# KiCad board JumperlessRev3point1.kicad_pcb (continued)
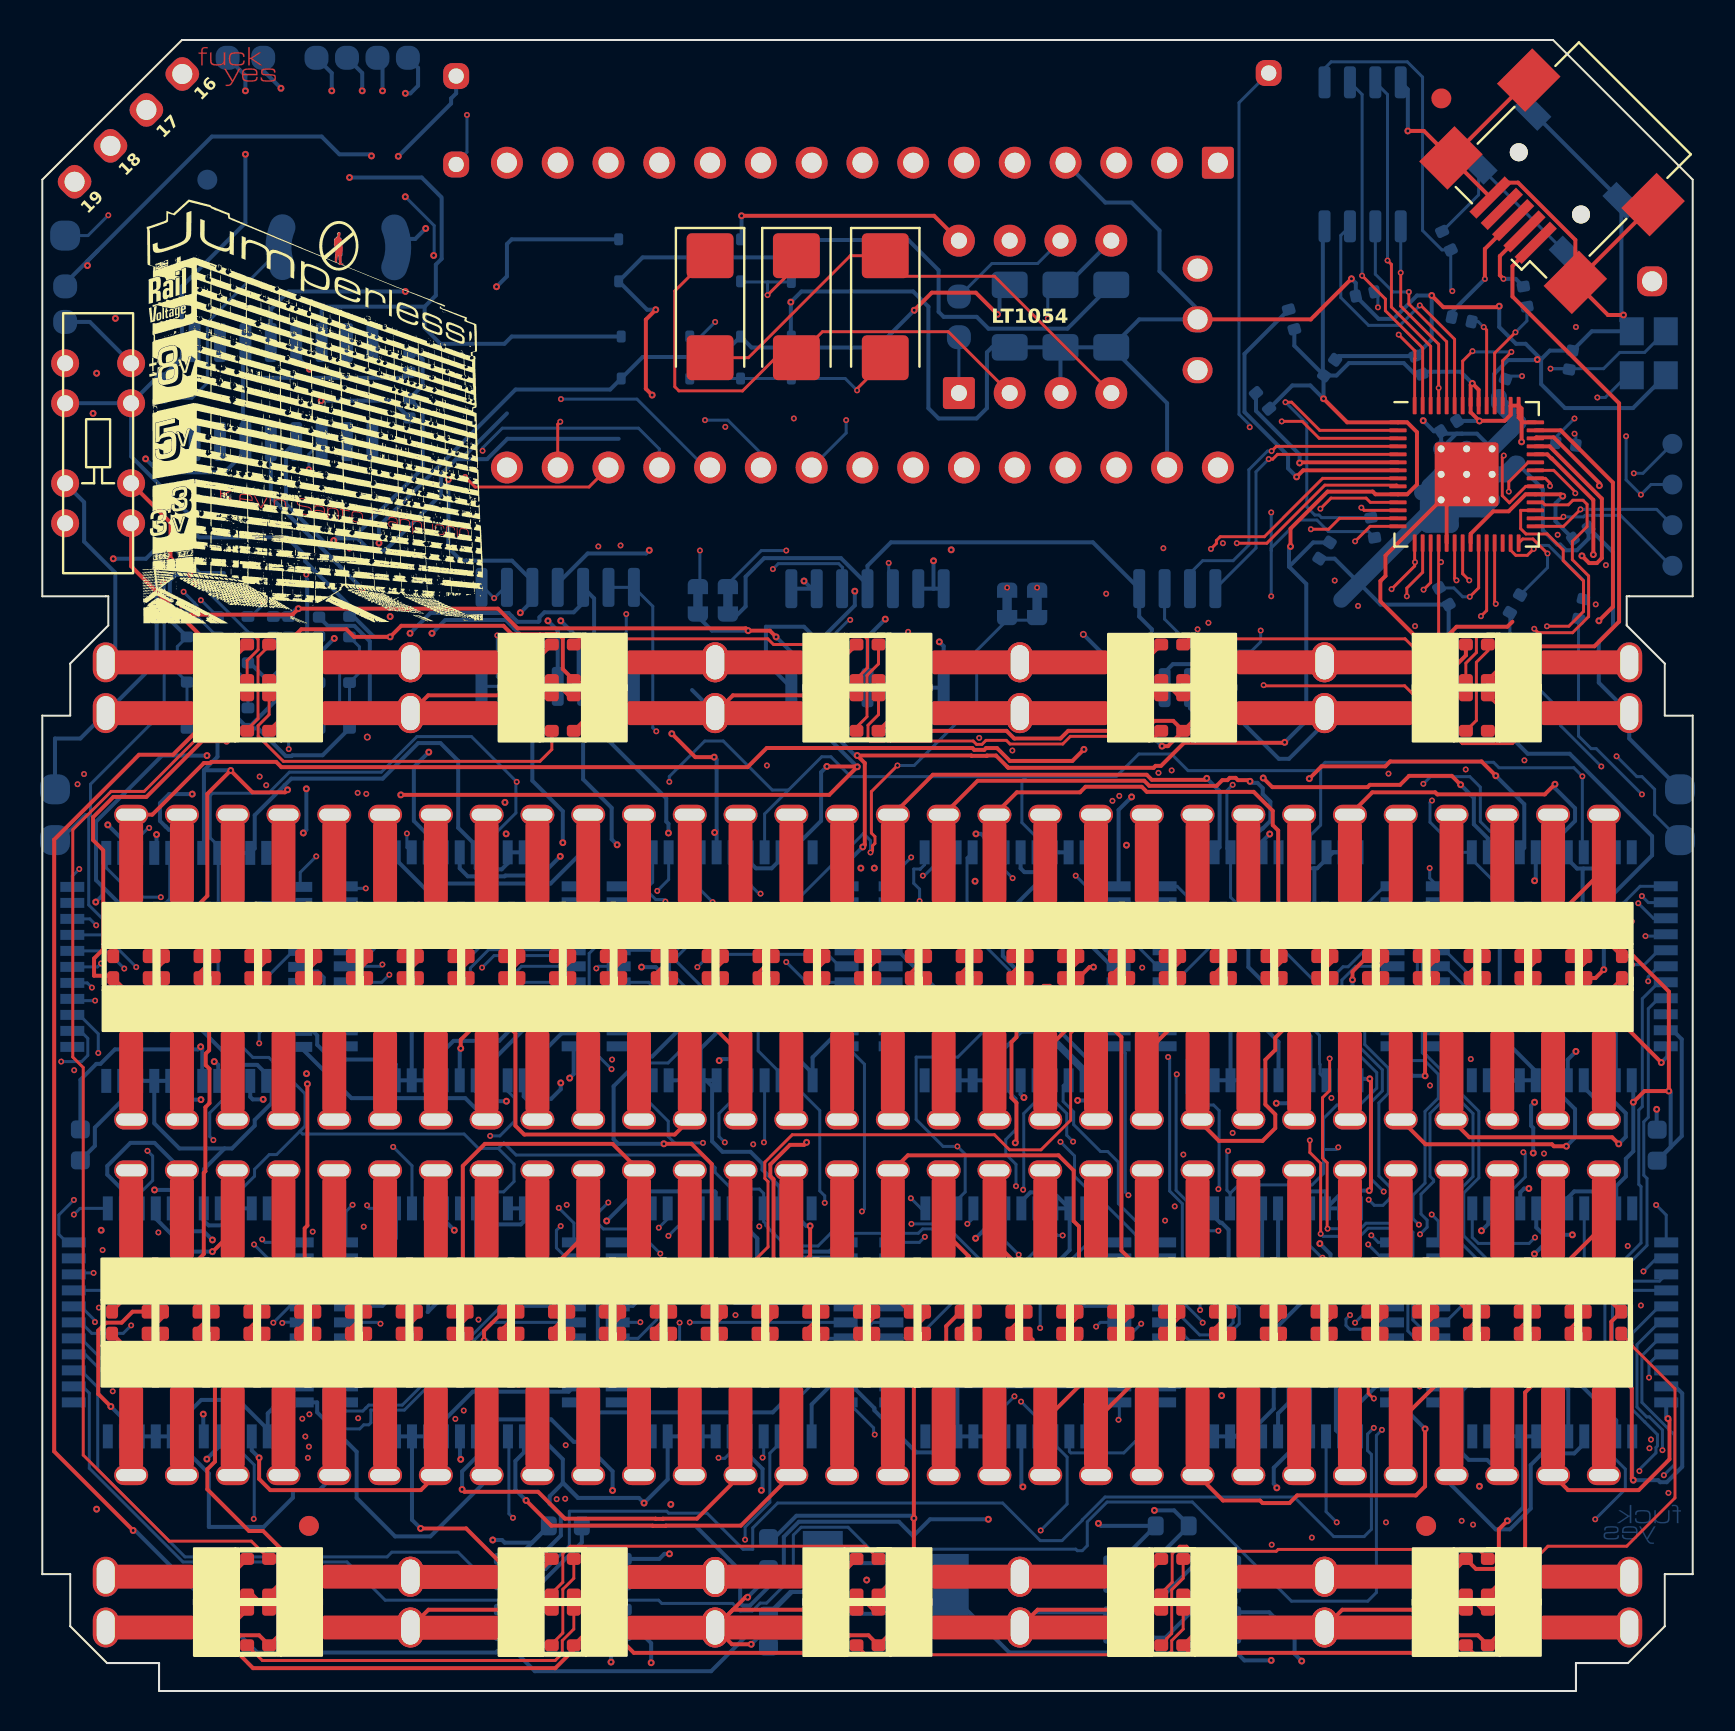
[diagram p0: board, top side]
## Routing (per net, layer and track width the routed paths; a pad name or vN(x,y) marks a point on that pad's centre or on a via; arc(x,y) is an arc through that point) (continued)
  In2.Cu w0.15: v1(27.81,57.23) 28.42,56.62 28.42,42.54 27.3,41.43 27.3,37.85 28.54,36.61 28.54,33.09 27.96,32.5 27.96,29.3 28.38,28.88 28.38,25.73 27.69,25.05 v1(27.69,21.09) ; A1.2 55.04,75.19 55.04,58.18 v1(56.07,57.14)
  Bottom w0.15: 28.78,20.83 27.95,20.83 v1(27.69,21.09)
D1: length 71.1
  In1.Cu w0.15: v1(59.05,57.39) 58.91,57.53 50.02,57.53 49.89,57.66 29.31,57.66 v1(28.92,57.28)
  In2.Cu w0.15: v1(29.78,38.11) 29.59,38.3 29.59,42.05 28.77,42.86 28.77,57.12 v1(28.92,57.28) ; v1(59.05,57.39) 60.07,58.41 60.07,75.15 A1.1
  Bottom w0.15: I1.30 29.5,37.83 v1(29.78,38.11)
D2: length 83.9
  Top w0.15: v1(45.52,20.88) 45.05,20.42 37.28,20.42 v1(37.15,20.55)
  In2.Cu w0.15: v1(45.52,20.88) 46.99,20.88 47.14,21.03 47.14,25.14 46.46,25.83 46.46,32.58 46.84,32.97 46.84,33.92 46.82,33.95 46.82,38.67 47.3,39.15 47.3,40.41 46.15,41.56 46.15,43.15 46.41,43.41 46.41,44.22 47.49,45.3 47.49,56.82 47.67,57 47.67,60.31 47.37,60.61 47.37,75.14 A1.5
  Bottom w0.15: J6.29 29.55,19.23 30.78,20.47 30.78,20.65 31.32,21.18 31.7,21.18 32.59,20.29 33.08,20.78 34.21,20.78 35,19.99 36.59,19.99 v1(37.15,20.55) ; K1.27 43.74,17.63 45.67,19.56 45.67,20.8 45.64,20.83 45.57,20.83 v1(45.52,20.88)
D3: length 107.7
  In1.Cu w0.15: v1(27.48,47.62) 27.63,47.48 31.89,47.48 31.95,47.42 46.63,47.42 v1(46.86,47.66) 47.49,47.02 v1(48.52,47.02)
  In2.Cu w0.15: v1(27.48,47.62) 26.23,46.37 26.23,42.81 26.6,42.44 26.6,37.24 v1(27.71,36.13) ; v1(51.77,16.56) 52.07,16.87 52.07,24.21 51.26,25.02 51.26,26.32 50.82,26.76 50.5,26.76 49.09,28.17 49.09,29.06 49.15,29.06 50.11,30.02 49.03,31.11 49.03,34.74 49.09,34.8 49.09,39.56 49.45,39.93 49.45,43.11 48.95,43.61 48.95,46.6 v1(48.52,47.02) ; A1.6 47.11,75.4 47.11,60.52 47.38,60.25 47.38,60.01 47.42,59.96 47.42,57.23 47.38,57.18 47.38,57.12 46.86,56.61 v1(46.86,47.66)
  Bottom w0.15: v1(27.71,36.13) 27.82,36.23 I1.28 ; K1.26 46.42,16.83 46.74,16.51 49.73,16.51 49.78,16.56 v1(51.77,16.56)
D4: length 85.9
  Top w0.15: v1(44.23,21.28) 44.29,21.34 45.59,21.34 46.22,20.71 50.32,20.71 v1(50.77,20.26)
  In1.Cu w0.15: v1(31.42,20.75) 32.63,21.96 33.47,21.96 33.66,22.15 39.96,22.15 39.98,22.14 42.44,22.14 42.73,21.84 44.02,21.84 44.23,21.63 v1(44.23,21.28)
  In2.Cu w0.15: A1.7 44.83,75.15 44.83,57.43 44.01,56.61 44.01,43.49 44.7,42.8 44.7,38.33 44.56,38.19 44.56,37.86 44.7,37.72 44.7,34.94 44.21,34.46 44.21,34.08 44,33.87 44,25.75 44.62,25.13 44.62,21.66 v1(44.23,21.28)
  Bottom w0.15: v1(50.77,20.26) 52.95,20.26 53.52,20.83 ; v1(31.42,20.75) 30.73,20.06 30.73,18.56 29.8,17.63 J6.27
D5: length 85
  In1.Cu w0.15: v1(51.7,34.65) 50.51,34.65 50.23,34.37 50.15,34.37 49.94,34.57 49.94,34.65 49.89,34.7 41.85,34.7 41.46,34.32 39.29,34.32 v1(39.27,34.34) 38.69,34.92 35.25,34.92 35.25,34.92 31.96,34.92 30.99,33.95 v1(30.99,33.91)
  In2.Cu w0.15: A1.8 39.77,75.16 39.77,45.99 38.89,45.11 38.89,38.76 39.27,38.38 v1(39.27,34.34) ; v1(51.7,34.65) 51.7,34.04 52.14,33.6 52.14,29.38 51.59,28.84 51.59,28.12 v1(50.93,27.46)
  Bottom w0.15: K1.4 54.42,20.03 54.7,20.3 54.7,22.8 52.6,24.91 52.46,24.91 51.63,25.73 51.63,26.75 v1(50.93,27.46) ; v1(30.99,33.91) 30.26,34.63 I1.26
D6: length 74.7
  In1.Cu w0.15: v1(38.45,21.31) 38.53,21.39 42.13,21.39 43.32,20.2 47.85,20.2 48.27,20.61 49.43,20.61 50.1,19.94 v1(51.46,19.94)
  In2.Cu w0.15: v1(38.45,21.31) 38.81,21.67 38.81,25.57 38.73,25.65 38.73,31.03 38.81,31.11 38.33,31.6 38.33,34.61 38.65,34.94 38.65,38.57 38.59,38.64 38.59,54.48 39.46,55.35 39.46,75.44 A1.9
  Bottom w0.15: 39.83,20.83 39.35,21.31 v1(38.45,21.31) ; v1(51.46,19.94) 52.17,19.23 K1.5
D7: length 81.3
  In1.Cu w0.15: v1(50.75,37.84) 49.61,38.99 47.24,38.99 46.74,38.48 42.62,38.48 41.99,37.85 37,37.85 v1(36.84,38)
  In2.Cu w0.15: A1.10 37.08,75.28 37.08,57.66 36.83,57.66 36.07,56.9 36.07,55.5 37.08,54.49 37.08,52.81 37.21,52.68 37.21,44.86 36.44,44.09 36.44,38.6 36.84,38.2 v1(36.84,38) ; v1(52.71,18.22) 53.78,19.29 53.78,33.59 51.41,35.95 51.41,36.21 50.75,36.87 v1(50.75,37.84)
  Bottom w0.15: v1(36.84,38) 37.09,37.76 40.15,37.76 ; K1.6 52.92,18.43 v1(52.71,18.22)
D8: length 83.4
  In1.Cu w0.15: v1(39.24,20.07) 41.43,17.88 44.15,17.88 44.28,18.01 48.75,18.01 49.28,18.54 52.84,18.54 52.88,18.5 54.83,18.5 v1(54.97,18.36)
  In2.Cu w0.15: v1(33.57,20.46) 33.57,28.59 34.26,29.29 34.26,43.1 33.85,43.51 33.85,44.12 34.79,45.06 34.79,62.93 34.54,63.18 34.54,75.28 A1.11
  Bottom w0.15: 40.04,19.38 34.65,19.38 v1(33.57,20.46) ; 39.83,19.23 39.24,19.82 v1(39.24,20.07) ; 54.23,17.63 v1(54.97,18.36)
D9: length 95.2
  In1.Cu w0.15: v1(55.02,36.17) 54.28,35.43 33.53,35.43 v1(32.77,36.2)
  In2.Cu w0.15: v1(55.02,36.17) 55.27,35.92 55.27,29.92 56.32,28.88 56.32,25.73 55.8,25.21 55.8,17.01 v1(54.96,16.16) ; A1.12 32.71,74.56 32.71,64.44 33.47,63.68 33.47,62.91 32.42,61.85 32.42,60.36 32.2,60.14 32.2,58 32.42,57.78 32.42,45.16 33.46,44.12 33.46,43.45 32.77,42.75 v1(32.77,36.2)
  Bottom w0.15: v1(32.77,36.2) 33.4,36.83 39.28,36.83 39.88,36.23 ; 54.29,16.83 v1(54.96,16.16)
D10: length 72.6
  In2.Cu w0.15: A1.13 29.44,75.29 29.44,57.05 29.57,56.93 29.57,46.2 30.92,44.85 30.92,40.44 31.76,39.59 31.76,38.9 31.36,38.5 31.36,28.93 31.31,28.88 31.31,28.27 31.75,27.83 31.75,26.78 31.31,26.34 31.31,25.73 32.26,24.79 32.26,18.56 v1(32.39,18.43)
  Bottom w0.15: J6.6 v1(32.39,18.43) ; 40.58,18.35 41.02,17.91 41.02,15.49 41.59,15.49 42.12,16.03
D11: length 103.3
  In1.Cu w0.15: v1(23.8,15.32) 29.92,15.32 30.25,14.99 40.87,14.99 41.37,15.49 v1(44.07,15.49) ; v1(24.8,38.24) 25.66,37.39 30.25,37.39 30.43,37.57 30.43,38.21 30.7,38.47 31.03,38.47 31.66,37.84 v1(34.64,37.84)
  In2.Cu w0.15: 25.15,38.02 25.15,33.85 25.3,33.7 25.3,29.42 25.84,28.88 25.84,25.33 24.67,24.16 24.67,17.28 23.8,16.41 v1(23.8,15.32) ; 25.15,38.02 25.15,42.82 25.84,43.51 25.84,52.75 27.18,54.09 27.18,75.02 A1.14 ; 25.15,38.02 25.02,38.02 v1(24.8,38.24)
  Bottom w0.15: K1.24 43.81,15.23 v1(44.07,15.49) ; v1(34.64,37.84) 35.02,37.46 39.46,37.46 39.88,37.03
D12: length 98.4
  In1.Cu w0.15: v1(49.91,18.15) 49.53,17.76 44.38,17.76 44.25,17.63 43.42,17.63 43.4,17.61 38.93,17.61 v1(38.48,17.16) 37.8,17.84 24.24,17.84 v1(23.37,16.97)
  In2.Cu w0.15: v1(23.37,16.97) 23.37,16.97 23.37,20.22 23.11,20.47 23.11,22.27 23.19,22.35 23.19,25.63 23.3,25.73 23.3,26.34 23.19,26.44 23.19,28.17 23.3,28.27 23.3,29 23.62,29.31 23.62,29.65 22.87,30.4 22.87,36.67 21.88,37.66 21.88,42.09 23.39,43.6 23.39,44.19 24.38,45.18 24.38,63.31 23.24,64.46 A1.15
  Bottom w0.15: v1(49.91,18.15) 49.91,20.01 52.33,22.43 K1.1 ; J6.7 38.96,17.63 v1(38.48,17.16)
D13: length 45.3
  In1.Cu w0.15: v1(20.83,37.59) 21.72,36.7 36.96,36.7 v1(37.21,36.45)
  In2.Cu w0.15: v1(20.83,37.59) 21.15,37.91 21.15,59.88 22.44,61.17 A1.16
  Bottom w0.15: I1.7 38.23,35.43 v1(37.21,36.45)
DAC_0_OUT: length 50.5
  In1.Cu w0.2: v3(16,55.12) 35.94,55.12 38.61,52.45 43.56,52.45 43.94,52.83 v3(52.07,52.83)
  Bottom w0.2: v3(52.07,52.83) 54.73,50.17 U12.8 ; U10.13 11.43,59.69 v3(16,55.12)
DAC_1_OUT: length 62.8
  In1.Cu w0.2: v3(58.29,48.26) 50.31,48.26 49.67,47.62 47.5,47.62 46.99,48.13 34.45,48.13 34.01,47.7 32.19,47.7 31.5,48.39 19.46,48.39 18.77,47.7 v3(16.26,47.7)
  In2.Cu w0.2: v3(16.26,47.7) 15.37,48.58 v3(15.37,57.15)
  Bottom w0.2: U10.12 12.19,61.96 12.19,59.35 14.39,57.15 v3(15.37,57.15) ; U12.6 57.4,49.15 v3(58.29,48.26)
DAC_+-8V: length 147
  Top w0.2: v2(27.79,20.41) 28.02,20.18 30.43,20.18 30.44,20.19 32.72,20.19 33.48,20.96 33.48,26.35 32.47,27.36 v2(31.09,27.36) ; v2(13.26,30.35) 13.26,23.27 13.12,23.13 13.12,21.17 13.86,20.44 15.43,20.44 15.98,21 16.12,21 16.65,20.47 17.83,20.47 17.83,20.53 18.03,20.74 18.32,20.74 18.46,20.59 18.49,20.59 v2(18.72,20.83)
  In1.Cu w0.2: v2(18.72,20.83) 18.87,20.67 18.87,20.36 18.98,20.25 27.63,20.25 v2(27.79,20.41) ; v2(48.42,38.4) 47.13,37.11 31.83,37.11 v2(30.86,38.07)
  In2.Cu w0.2: v2(13.26,30.35) 13.13,30.35 12.41,31.07 12.41,42.26 v2(13.06,42.9) ; v2(29.97,36.2) 29.97,37.19 v2(30.86,38.07) ; v2(13.21,45.11) 14.61,46.51 v2(14.61,52.63) 13.95,53.28 v2(13.95,64.52) 13.95,65.5 v2(13.36,66.09) 13.36,78.71 v2(11.94,80.14)
  Bottom w0.2: v2(27.79,20.41) 27.79,16.67 28.43,16.03 ; v2(13.95,64.52) 17.5,64.52 C10.1 ; L1.3 53.55,38.92 48.94,38.92 v2(48.42,38.4) ; v2(13.21,45.11) 13.21,43.05 v2(13.06,42.9) ; TP8.1 11.05,81.03 v2(11.94,80.14) ; v2(14.61,52.63) 13.84,51.87 R16.2 ; v2(13.36,66.09) 12.7,66.75 12.7,67.12 ; v2(31.09,27.36) 28.8,27.36 28.57,27.58 28.57,30.24 30.06,31.73 30.51,31.73 32.36,33.58 32.36,34.52 30.68,36.2 v2(29.97,36.2)
DATA: length 226.6
  Top w0.15: U9.17 69.44,55.42 v1(69.09,55.07)
  In1.Cu w0.15: 33.07,27.03 33.05,27.05 v1(33.05,27.41) ; 33.07,27.03 45.69,27.03 ; 33.07,27.03 32.97,27.03 ; v1(45.77,27.23) 45.77,27.1 45.69,27.03 ; v1(5.26,27.01) 7.47,27.01 8.38,27.92 8.69,27.92 9.41,27.2 v1(17.55,27.2) 30.4,27.2 30.6,27.01 31.63,27.01 31.65,27.03 32.97,27.03 ; 32.97,27.03 35.25,27.03 v1(35.56,27.33) ; v1(74.08,26.94) 73.83,27.18 v1(64.82,27.18) ; 45.69,27.03 48.41,27.03 48.42,27.01 48.83,27.01 48.85,27.03 51.61,27.03 51.74,27.15 59.16,27.15 v1(59.31,27) ; v1(69.08,45.36) 67.99,46.45 60.68,46.45 v1(59.54,45.31) ; v1(18.24,42.88) 17.79,42.42 5.55,42.42 5.32,42.66 5.32,43.12 v1(5.35,43.15) ; v1(35.86,23.23) 35.79,23.15 33.25,23.15 33.18,23.09 31.65,23.09 v1(31.32,22.76)
  In2.Cu w0.15: v1(69.08,45.36) 69.08,46.14 69.09,46.15 v1(69.09,55.07) ; v1(35.86,23.23) 36,23.36 36,26.89 v1(35.56,27.33) ; v1(5.35,43.15) 5.32,43.12 5.32,42.66 5.55,42.42 5.55,27.3 v1(5.26,27.01)
  Bottom w0.15: 64.08,27.08 64.08,25.88 63.51,25.3 59.84,25.3 59.41,24.88 ; 64.08,27.08 64.08,28.63 64.75,29.3 65.9,29.3 66.75,30.15 66.75,30.92 65.55,32.11 65.55,33.57 59.43,39.69 C26.36 59.25,42.12 59.25,45.02 v1(59.54,45.31) ; 64.08,27.08 64.71,27.08 v1(64.82,27.18) ; F5.36 18.49,26.26 v1(17.55,27.2) ; v1(33.05,27.41) 31.62,27.41 31.31,27.72 31.31,28.49 30.1,29.69 30.1,31.3 30.21,31.4 31.3,31.4 32.94,33.05 32.94,34.42 31.37,35.99 31.37,36.69 32.13,37.45 I1.36 ; E1.36 4.88,24.88 5.52,25.53 5.52,26.75 v1(5.26,27.01) ; J6.36 32.08,23.52 v1(31.32,22.76) ; v1(69.08,45.36) 69.44,45.72 71.4,45.72 71.93,45.19 71.93,43.47 72.4,42.99 72.79,42.99 73.1,42.69 D70.36 ; v1(5.35,43.15) 5.3,43.15 4.8,42.66 A2.36 ; v1(74.08,26.94) 74.17,26.84 74.17,25.7 73.12,24.65 ; v1(59.31,27) 59.25,26.94 59.25,25.04 59.41,24.88 ; 59.41,24.88 G1.36 ; v1(18.24,42.88) 18.24,42.17 B1.36 ; 45.77,24.56 46.16,24.95 46.16,26.84 v1(45.77,27.23) 45.06,27.23 43.71,28.58 43.71,31.69 45.79,31.69 48.39,34.29 48.39,36.02 45.94,38.47 45.72,38.47 45.42,38.77 45.42,41.62 L1.36
DI: length 48.7
  In1.Cu w0.15: v1(79.83,39.39) 79.08,40.13 58.64,40.13 58.58,40.07 50.08,40.07 50.06,40.09 44.87,40.09 44.86,40.1 36.15,40.1 v1(35.93,39.87)
  Bottom w0.15: v1(79.83,39.39) 80.58,38.64 D70.3 ; I1.39 34.53,41.18 35.84,39.87 v1(35.93,39.87)
DJ: length 70.6
  In1.Cu w0.15: v1(79.96,19.28) 79.52,18.83 66.36,18.83 65.76,19.44 57.88,19.44 48.42,19.44 48.06,19.08 43.73,19.08 41.92,20.89 38.84,20.89 38.17,20.22 35.65,20.22 v1(35.32,20.55)
  In2.Cu w0.15: v1(80.19,37.74) 80.33,37.6 80.33,35.96 79.8,35.42 79.8,29.91 80.03,29.68 80.03,22.14 79.33,21.44 79.33,20.8 79.96,20.17 v1(79.96,19.28)
  Bottom w0.15: v1(80.19,37.74) 81.11,37.74 ; v1(35.32,20.55) 34.48,21.39 J6.39
DK: length 55.3
  In1.Cu w0.15: v1(48.84,21.81) 55.34,21.81 55.94,21.21 57.48,21.21 57.56,21.29 62.99,21.29 64.59,19.69 65.87,19.69 66.47,19.08 76.13,19.08 v1(79.3,22.25)
  In2.Cu w0.15: v1(80.01,39.75) 80.15,39.6 80.15,39.25 79.83,38.93 79.83,36.73 80.08,36.48 80.08,36.06 79.29,35.27 79.29,30.02 79.16,29.9 79.16,29.32 79.55,28.93 79.55,22.5 v1(79.3,22.25)
  Bottom w0.15: v1(48.84,21.81) 48.17,22.48 K1.39 ; v1(80.01,39.75) 80.33,39.42 81.19,39.42
DL: length 23.8
  In1.Cu w0.15: v1(48.53,40.64) 48.71,40.64 48.97,40.39 50.19,40.39 50.2,40.37 58.53,40.37 58.54,40.38 68.63,40.38 v1(69.39,41.15)
  Bottom w0.15: v1(48.53,40.64) 48.13,41.04 L1.39 ; v1(69.39,41.15) 69.39,40.64 D70.33
EI: length 37.7
  In1.Cu w0.15: v1(34.67,18.8) 34.56,18.9 12.04,18.9 v1(11.56,18.41)
  In2.Cu w0.15: v1(34.67,18.8) 34.65,18.82 34.65,20.56 33.85,21.36 33.85,27.14 v1(34.14,27.43)
  Bottom w0.15: E1.5 12.37,19.23 v1(11.56,18.41) ; v1(34.14,27.43) 33.85,27.72 33.85,28.88 34.53,29.55 I1.17
EJ: length 30.9
  In1.Cu w0.15: v1(13.28,11.66) 13.61,11.98 25.1,11.98 25.62,11.46 25.95,11.46 26.14,11.66 v1(33.83,11.66)
  In2.Cu w0.15: v1(12,18.4) 11.84,18.23 11.84,13.11 v1(13.28,11.66)
  Bottom w0.15: v1(12,18.4) 12.04,18.44 12.97,18.44 ; J6.17 34.48,11.98 34.13,11.63 33.85,11.63 v1(33.83,11.66)
EK: length 57.1
  In1.Cu w0.15: v1(3.52,14.99) 3.96,14.55 20.66,14.55 20.71,14.6 20.71,14.6 20.8,14.69 21.65,14.69 21.94,14.4 29.78,14.4 29.94,14.24 34.51,14.24 34.76,13.99 34.87,13.99 35,13.86 40.8,13.86 41.46,14.52 48.41,14.52 v1(48.63,14.73)
  In2.Cu w0.15: v1(3.52,14.99) 4.94,16.41 v1(4.94,19.87)
  Bottom w0.15: K1.17 48.17,14.28 v1(48.63,14.73) ; v1(4.94,19.87) 4.78,20.03 E1.30
EL: length 55.7
  In1.Cu w0.15: v1(48.7,25.24) 48.63,25.31 11.8,25.31 11.04,24.55 v1(1.58,24.55)
  Bottom w0.15: v1(48.7,25.24) 48.7,26.33 48.19,26.84 48.19,27.57 48.7,28.08 48.7,29.62 48.13,30.18 ; 1.23,22.43 0.83,22.83 0.83,23.8 v1(1.58,24.55)
FI: length 28.7
  In1.Cu w0.15: v1(35.86,16.39) 35.5,16.76 30.73,16.76 30.67,16.82 30.38,16.82 30.31,16.76 24.93,16.76 v1(24.59,16.42)
  In2.Cu w0.15: v1(36.09,27.43) 36.26,27.26 36.26,22.35 35.94,22.03 35.94,21.08 36.14,20.88 36.14,19.87 35.86,19.59 v1(35.86,16.39)
  Bottom w0.15: I1.15 36.13,27.47 v1(36.09,27.43) ; v1(24.59,16.42) 25.81,17.63 F5.7
FJ: length 16.2
  In1.Cu w0.15: v1(26.18,12.29) 26.49,11.99 33.96,11.99 34.28,11.67 v1(36.03,11.67)
  In2.Cu w0.15: v1(26.18,12.29) 26.18,15.63 v1(25.54,16.27)
  Bottom w0.15: J6.15 36.08,11.73 v1(36.03,11.67) ; v1(25.54,16.27) 25.54,16.29 26.09,16.83
FK: length 43.5
  In1.Cu w0.15: v1(15.8,13.64) 19.67,13.64 20.32,14.3 20.76,14.3 20.9,14.44 21.55,14.44 21.83,14.15 29.68,14.15 29.84,13.99 34.41,13.99 34.66,13.74 34.77,13.74 34.89,13.61 40.9,13.61 41.56,14.27 48.51,14.27 48.75,14.27 v1(48.95,14.47)
  In2.Cu w0.15: v1(16.92,18.36) 17.3,17.98 17.3,15.14 v1(15.8,13.64)
  Bottom w0.15: K1.15 49.77,13.65 v1(48.95,14.47) ; F5.28 16.85,18.43 v1(16.92,18.36)
FL: length 41.9
  In1.Cu w0.15: v1(49.06,25.06) 48.74,24.75 44.16,24.75 43.85,25.06 16.27,25.06 v1(15.52,24.31)
  Bottom w0.15: L1.15 49.73,29.52 49.09,28.88 49.09,25.09 v1(49.06,25.06) ; v1(15.52,24.31) 15.19,23.98 F5.33
GI: length 35.1
  In1.Cu w0.15: v1(56.64,24.23) 56.27,24.23 56.21,24.17 47.96,24.17 47.89,24.25 44.31,24.25 44.17,24.11 42.16,24.11 41.94,24.33 39.21,24.33 v1(39.14,24.41)
  In2.Cu w0.15: v1(57.87,15.63) 56.64,16.86 v1(56.64,24.23)
  Bottom w0.15: G1.25 57.47,16.03 v1(57.87,15.63) ; v1(39.14,24.41) 39.14,24.76 38.89,25 38.89,29.03 37.73,30.18
GJ: length 24.5
  In1.Cu w0.15: v1(57.33,15.62) 56.16,16.79 56,16.79 55.81,16.99 52.33,16.99 52.12,17.19 50.04,17.19 49.86,17.01 44.69,17.01 44.56,16.88 43.73,16.88 43.61,16.76 40.21,16.76 39.93,16.76 v1(39.24,16.06)
  Bottom w0.15: 56.15,15.19 56.9,15.19 v1(57.33,15.62) ; J6.13 37.68,14.5 v1(39.24,16.06)
GK: length 9.1
  Bottom w0.15: K1.13 51.37,11.98 51.45,11.91 54.09,11.91 55.34,13.15 55.34,16.37 55.79,16.83
GL: length 10.4
  Bottom w0.15: L1.13 51.06,30.26 51.06,29.48 51.59,28.95 51.59,28.32 52.93,26.97 53.29,26.97 53.82,26.44 53.82,24.37 55.76,22.43
GPIO_0: length 144.1
  In1.Cu w0.15: v1(61.47,58.93) 62.23,58.93 63.75,60.45 63.75,62.48 65.41,64.13 71.12,64.13 75.18,68.2 v1(76.71,68.2) 76.71,69.98 70.36,76.33 61.85,76.33 60.2,77.98 8.64,77.98 4.45,73.79 v1(3.3,73.79) ; v1(53.21,54.86) 53.34,54.74 v1(61.47,54.74)
  In2.Cu w0.15: v1(53.21,54.86) 53.21,45.63 51.56,43.98 51.56,40.89 v1(51.69,40.77) ; TP18.1 78.99,70.48 v1(76.71,68.2)
  Bottom w0.15: TP16.1 2.29,72.77 v1(3.3,73.79) ; v1(51.69,40.77) 53.02,39.43 L1.2 ; R7.2 66.33,57.97 64.33,57.97 63.75,58.55 62.87,58.55 61.47,57.15 61.47,57.02 ; v1(61.47,58.93) 61.47,57.02 ; 61.47,57.02 v1(61.47,54.74)
GPIO_16: length 100.8
  Top w0.15: v1(74.6,57.1) 74.28,56.78 73.7,56.78 73.44,57.04
  In1.Cu w0.15: 7.02,80.79 8.44,79.38 21.48,79.38 21.86,78.99 69.73,78.99 79.33,69.4 79.33,69.4 79.69,69.05 79.69,68.55 79.68,68.54 79.68,60.96 v1(79.6,60.88) 79.6,60.35 76.53,57.28 74.77,57.28 v1(74.6,57.1)
  Bottom w0.15: R11.1 77.09,55.53 75.34,57.28 74.77,57.28 v1(74.6,57.1) ; v1(79.6,60.88) 80.06,60.88 TP1.1
GPIO_17: length 100.2
  Top w0.15: v1(75.29,56.87) 74.56,57.6 74.05,57.6 U9.28
  In1.Cu w0.15: 5.23,79 5.36,79.13 21.38,79.13 21.76,78.74 69.34,78.74 73.03,75.05 73.32,75.05 79.22,69.15 79.23,69.15 79.44,68.94 79.44,68.65 79.23,68.45 79.22,68.45 79.19,68.41 79.19,62.77 v1(79.22,62.74) ; v1(79.96,59.82) 79.42,59.82 76.48,56.87 v1(75.29,56.87)
  Bottom w0.15: v1(79.22,62.74) 79.22,60.56 v1(79.96,59.82) 80.47,60.32 TP2.1 ; v1(75.29,56.87) 75.29,56.17 R9.1
GPIO_18: length 98.4
  Top w0.15: U9.29 76.09,58.23 v1(76.94,59.08)
  In1.Cu w0.15: 3.43,77.2 6.52,77.2 7.79,78.48 60.69,78.48 62.34,76.83 70.75,76.83 78.74,68.84 78.74,59.89 77.93,59.08 v1(76.94,59.08)
  Bottom w0.15: TP3.1 80.75,59.08 v1(76.94,59.08)
GPIO_19: length 101.4
  Top w0.15: v1(76.09,58.71) 76.01,58.63 U9.30
  In1.Cu w0.15: 1.63,75.4 5.29,75.4 8.11,78.23 60.56,78.23 62.21,76.58 70.49,76.58 78.49,68.58 78.49,59.99 78.06,59.56 76.94,59.56 v1(76.09,58.71)
  Bottom w0.15: 81.46,56.26 78.94,58.78 77.17,58.78 77.09,58.71 76.09,58.71 v1(76.09,58.71)
HI: length 53.7
  In1.Cu w0.15: v1(41,23.98) 41.11,23.86 44.27,23.86 44.41,24 47.78,24 47.86,23.92 56.47,23.92 56.54,23.85 58.01,23.85 58.32,23.55 58.32,22.76 58.42,22.66 59.06,22.66 59.97,23.57 64.57,23.57 65.15,22.99 65.15,22.78 65.96,21.97 70.99,21.97 71.23,22.21 74.43,22.21 74.47,22.25 78.28,22.25 80.32,24.3 v1(80.72,24.3)
  Bottom w0.15: I1.11 41.12,31.34 41.12,24.1 v1(41,23.98) ; H1.1 81.22,23.8 v1(80.72,24.3)
HJ: length 51.7
  In1.Cu w0.15: v1(80.46,12.57) 41.88,12.57 v1(41.64,12.82)
  In2.Cu w0.15: v1(80.09,20.98) 80.64,20.42 80.64,16.66 79.22,15.24 79.22,13.81 v1(80.46,12.57)
  Bottom w0.15: 40.31,14.43 41.58,13.16 41.58,12.88 v1(41.64,12.82) ; v1(80.09,20.98) 80.74,21.63
HK: length 34.1
  In1.Cu w0.15: v1(53.83,13.56) 54.31,13.08 64.3,13.08 64.74,13.51 77.14,13.51 79.17,15.55 v1(79.17,16.29)
  In2.Cu w0.15: v1(79.39,20.17) 79.39,16.5 v1(79.17,16.29)
  Bottom w0.15: v1(79.39,20.17) 79.52,20.03 H1.4 ; K1.11 53.87,13.6 v1(53.83,13.56)
HL: length 25
  In1.Cu w0.15: v1(69.49,23.83) 69.35,23.68 65.66,23.68 65.17,24.17 59.72,24.17 59.67,24.12 59.51,24.12 59.46,24.07 59.32,24.07 58.5,24.89 54.42,24.89 v1(54.33,24.79)
  Bottom w0.15: H1.33 69.82,23.5 v1(69.49,23.83) ; L1.11 54.17,31.9 54.17,24.95 v1(54.33,24.79)
I2C_SCL: length 116.1
  Top w0.2: v2(62.74,60.71) 63.07,61.03 U9.7
  In1.Cu w0.2: v2(28.45,1.45) 28.84,1.84 61.16,1.84 v2(61.47,1.53)
  In2.Cu w0.2: v2(61.47,1.53) 61.89,1.96 61.89,7.71 63.97,9.78 63.97,11.11 63.12,11.95 63.12,19.26 62.85,19.54 62.85,24.6 63.97,25.72 63.97,29.09 63.44,29.62 63.44,38.43 63.97,38.96 63.97,44.54 65.04,45.61 65.04,58.5 62.84,60.71 v2(62.74,60.71)
  Bottom w0.2: U6.4 60.13,1.53 v2(61.47,1.53) ; R26.2 60.13,66.86 60.13,63.95 62.31,61.77 62.31,61.13 v2(62.74,60.71) ; v2(28.45,1.45) 28.45,2.73
I2C_SDA: length 116.7
  Top w0.2: v2(62.89,61.4) 62.92,61.43 U9.6
  In1.Cu w0.2: v2(30.45,1.41) 30.68,1.19 61.28,1.19 61.31,1.16 62.65,1.16 v2(62.99,1.5)
  In2.Cu w0.2: v2(62.89,61.4) 66.59,57.7 66.59,36.79 66.98,36.41 66.98,30.12 66.5,29.65 66.5,25.41 66.74,25.17 66.74,24.43 65.38,23.06 65.38,20.49 64.93,20.04 64.93,18.17 65.54,17.56 65.54,12.07 66.5,11.11 66.5,3.26 64.74,1.5 v2(62.99,1.5)
  Bottom w0.2: R27.2 60.71,64 62.89,61.82 v2(62.89,61.4) ; U6.3 61.37,3.94 62.64,2.67 62.64,1.85 v2(62.99,1.5) ; v2(30.45,1.41) 30.45,2.39 28.78,4.06
LED_DATA_OUT: length 97.2
  Top w0.15: 74.32,61.43 73.35,60.46 v1(73.35,59.97) ; 3.65,36.85 v1(3.65,38.26)
  In1.Cu w0.15: v1(6.03,55.42) 7.63,57.02 13.95,57.02 14.29,56.69 42.16,56.69 42.33,56.86 44.72,56.86 44.87,56.71 49.71,56.71 49.75,56.66 54.96,56.66 55.15,56.48 62.57,56.48 66.17,60.07 73.25,60.07 v1(73.35,59.97)
  Bottom w0.15: 2.41,43.81 2.16,43.81 0.63,42.29 ; 2.41,43.81 2.41,45.34 6.1,49.02 6.1,55.36 v1(6.03,55.42) ; 2.41,43.81 2.32,43.73 ; v1(3.65,38.26) 3.36,38.26 2.32,39.3 2.32,43.73 ; 2.32,43.73 2.07,43.73 1.4,43.05 1.14,43.05 TP17.1
NANO_3V3: length 20.3
  Top w0.15: v1(25.91,63.46) 25.78,63.34 A1.17
  In1.Cu w0.15: v1(34.16,63.21) 26.17,63.21 v1(25.91,63.46)
  In2.Cu w0.15: v1(34.16,63.21) 34.54,62.82 34.54,57.15 33.02,57.15 v1(32.89,57.02)
  Bottom w0.15: JP1.2 32.89,55.45 v1(32.89,57.02)
NANO_5V: length 25.1
  In1.Cu w0.15: A1.27 49.36,62.99 38.1,62.99 37.59,63.5 v1(37.59,63.63)
  In2.Cu w0.15: v1(37.21,57.02) 37.34,57.02 37.34,63.37 v1(37.59,63.63)
  Bottom w0.15: JP2.2 35.97,57.02 v1(37.21,57.02)
NANO_~{RESET}: length 39.6
  Top w0.15: v1(42.77,46.28) 41.47,44.97 41.47,42.9 41.65,42.72 41.65,42.38 41.53,42.27 41.53,42.03 v1(41.42,41.93)
  Bottom w0.15: I1.8 40.01,34.85 37.66,34.85 37.4,34.59 33.6,34.59 31.62,36.58 33.2,38.16 35.84,38.16 36,38 36.34,38 36.54,38.21 36.54,38.35 41.07,42.88 41.42,42.52 v1(41.42,41.93) ; JP13.1 JP14.1 46.74,52.02 46.74,49.4 43.61,46.28 v1(42.77,46.28)
NANO_~{RESET}_0: length 8.6
  In2.Cu w0.15: v1(49.76,55.17) 49.96,55.37 51.56,55.37 52.58,56.39 52.58,60.03 A1.28
NANO_~{RESET}_1: length 25.1
  In2.Cu w0.15: A1.3 52.32,75.02 52.32,56.49 51.46,55.62 48.76,55.62 48.31,55.17 v1(48.26,55.17)
RESET: length 219.7
  Top w0.15: v1(76.68,59.89) 76.68,59.95 75.6,61.03 U9.36
  In1.Cu w0.15: v1(31.36,45.46) 30.99,45.09 24.1,45.09 v1(23.73,45.46) ; v1(77.22,21.13) 74.47,21.13 74.15,21.45 71.49,21.45 71.34,21.3 64.4,21.3 v1(64.03,21.67) 63.72,21.98 63.36,21.98 63.31,22.03 56.2,22.03 55.26,22.97 51.23,22.97 v1(51.04,22.78)
  In2.Cu w0.15: v1(77.03,45.73) 77.01,45.76 77.01,55 76.57,55.44 76.57,59.78 v1(76.68,59.89)
  Bottom w0.15: 37.32,45.05 36.51,45.05 34.06,47.5 33.14,47.5 31.36,45.73 v1(31.36,45.46) ; 37.32,45.05 38.99,46.71 39.45,46.71 40.44,45.72 49.25,45.72 ; 37.32,45.05 36.13,43.85 I1.41 ; F5.41 22.49,24.88 22.57,24.95 23.08,24.95 23.6,25.48 23.6,26.34 22.81,27.13 ; 64.01,46.28 63.75,46.02 57.31,46.02 56.48,46.85 54.84,46.85 53.71,45.72 49.25,45.72 ; 64.01,46.28 63.94,46.21 63.94,43.29 63.43,42.79 C26.41 ; 64.01,46.28 64.16,46.43 72.59,46.43 72.86,46.16 76.6,46.16 v1(77.03,45.73) 77.03,45.73 77.03,42.01 ; 22.81,27.13 23.09,27.41 23.7,26.8 33.02,26.8 33.66,26.16 33.66,25.93 34.49,25.1 35.87,25.1 36.08,24.88 J6.41 36.08,23.47 36.19,23.36 36.19,23.27 37.21,22.25 38.8,22.25 39.44,22.89 43.81,22.89 44.04,23.11 44.82,23.11 44.83,23.11 45.36,23.11 47.04,21.44 49.1,21.44 49.77,22.11 K1.41 ; 22.81,27.13 21.82,27.13 21.1,27.85 13.02,27.85 12.88,27.98 ; B1.41 22.48,42.69 23.69,43.9 23.69,45.42 v1(23.73,45.46) 21.47,47.72 18.74,47.72 16.96,45.94 12.36,45.94 11.31,44.89 8.52,44.89 8.4,44.77 8.4,42.66 8.8,42.26 ; v1(51.04,22.78) 50.77,22.78 49.77,23.78 ; A2.41 8.8,37.56 8.79,37.55 8.79,33.42 10.53,31.68 11.33,31.68 13.14,29.87 13.14,28.24 12.88,27.98 ; H1.41 77.12,21.22 v1(77.22,21.13) ; 12.88,27.98 11.72,26.82 11.35,26.82 10.62,26.09 10.62,25.74 9.83,24.95 9.33,24.95 8.88,24.5 ; G1.41 63.41,22.26 64,21.67 v1(64.03,21.67) ; 49.25,45.72 49.23,45.72 49,45.49 49,43.42 49.73,42.68 L1.41
SPI0_CSn: length 24.8
  Top w0.15: v1(61.99,63.48) 63.02,63.48 63.87,62.64 67.8,62.64
  In2.Cu w0.15: v1(60.94,53.02) 60.94,62.43 v1(61.99,63.48)
  Bottom w0.15: U12.2 56.13,53.59 57.18,52.55 58.42,52.55 58.98,51.99 60.48,51.99 60.94,52.46 v1(60.94,53.02)
SPI0_MOSI: length 14.1
  Top w0.15: v1(61.34,61.59) 61.54,61.59 61.78,61.83 U9.5
  Bottom w0.15: U12.4 60.71,57.15 60.71,60.96 v1(61.34,61.59)
SPI0_SCK: length 16
  Top w0.15: U9.4 61.72,62.23 v1(61.48,61.99)
  Bottom w0.15: v1(61.48,61.99) 61.28,61.99 60.35,61.06 60.35,57.3 59.56,56.52 58.04,56.52 57.4,55.88 U12.3
TOP_RAIL: length 86.4
  In1.Cu w0.2: J4.31 J4.31 32.99,51.43 ; J4.31 J4.31 J4.31 ; 32.99,51.43 33.01,51.42 48.88,51.42 ; 32.99,51.43 J4.31
  Bottom w0.2: 3.65,51.91 3.65,55.91 2.09,57.47 2.09,59.44 SW2.3
UART_Rx: length 56.9
  In1.Cu w0.15: v1(47.88,34.29) 48.13,34.29 48.89,33.53 56.26,33.53 59.06,36.32 77.34,36.32 v1(79.5,38.48)
  In2.Cu w0.15: v1(80.01,44.83) 80.01,40.89 79.38,40.26 79.38,38.61 v1(79.5,38.48)
  Bottom w0.15: L1.25 42.78,33.83 43.22,33.4 43.79,33.4 44.07,33.68 45.04,33.68 45.06,33.66 47.24,33.66 v1(47.88,34.29) ; v1(80.01,44.83) 77.72,47.12 77.47,47.12 76.84,47.75 R11.2
UART_Tx: length 58.2
  In1.Cu w0.15: v1(44.32,33.27) 44.32,33.08 44.51,32.9 55.98,32.9 59.16,36.07 77.45,36.07 78.82,37.45 v1(79.33,37.45)
  In2.Cu w0.15: v1(77.98,46.23) 79.25,44.95 79.25,40.49 79.12,40.36 79.12,37.65 v1(79.33,37.45)
  Bottom w0.15: R9.2 73.41,51.56 75.95,49.02 75.95,48.26 v1(77.98,46.23) ; L1.24 44.08,33.03 v1(44.32,33.27)
Net-(C14-Pad1): length 11.8
  In2.Cu w0.15: v1(76.64,62.87) 75.44,64.06 v1(75.44,66.12)
  Bottom w0.15: R12.2 76.71,62.8 v1(76.64,62.87) ; Y1.3 80.14,66.93 78.9,66.93 78.09,66.12 v1(75.44,66.12) 76.33,66.12
Net-(D1-DOUT): length 1.4
  Top w0.15: 5.33,35.69 6.09,36.45 D2.3
Net-(D2-DOUT): length 1.4
  Top w0.15: 8.63,36.7 7.87,35.94 D2.1
Net-(D3-DOUT): length 1.4
  Top w0.15: D4.3 11.17,36.45 10.41,35.69
Net-(D4-DOUT): length 1.4
  Top w0.15: 12.95,35.69 13.71,36.45 D5.3
